# Altium PCB CL-HC-M-V2.1gerber.PcbDoc (part 4 of 16)
Units mil, origin at the board's own origin, x right, y up, seen from the top; angles counter-clockwise.
Board outline 27559.06 x 27559.06 mil, 2 copper layers (TopLayer, BottomLayer); 575 components, 528 nets, 1941 pads, 1850 vias.
Unrouted connection lines stored in the file: 70.
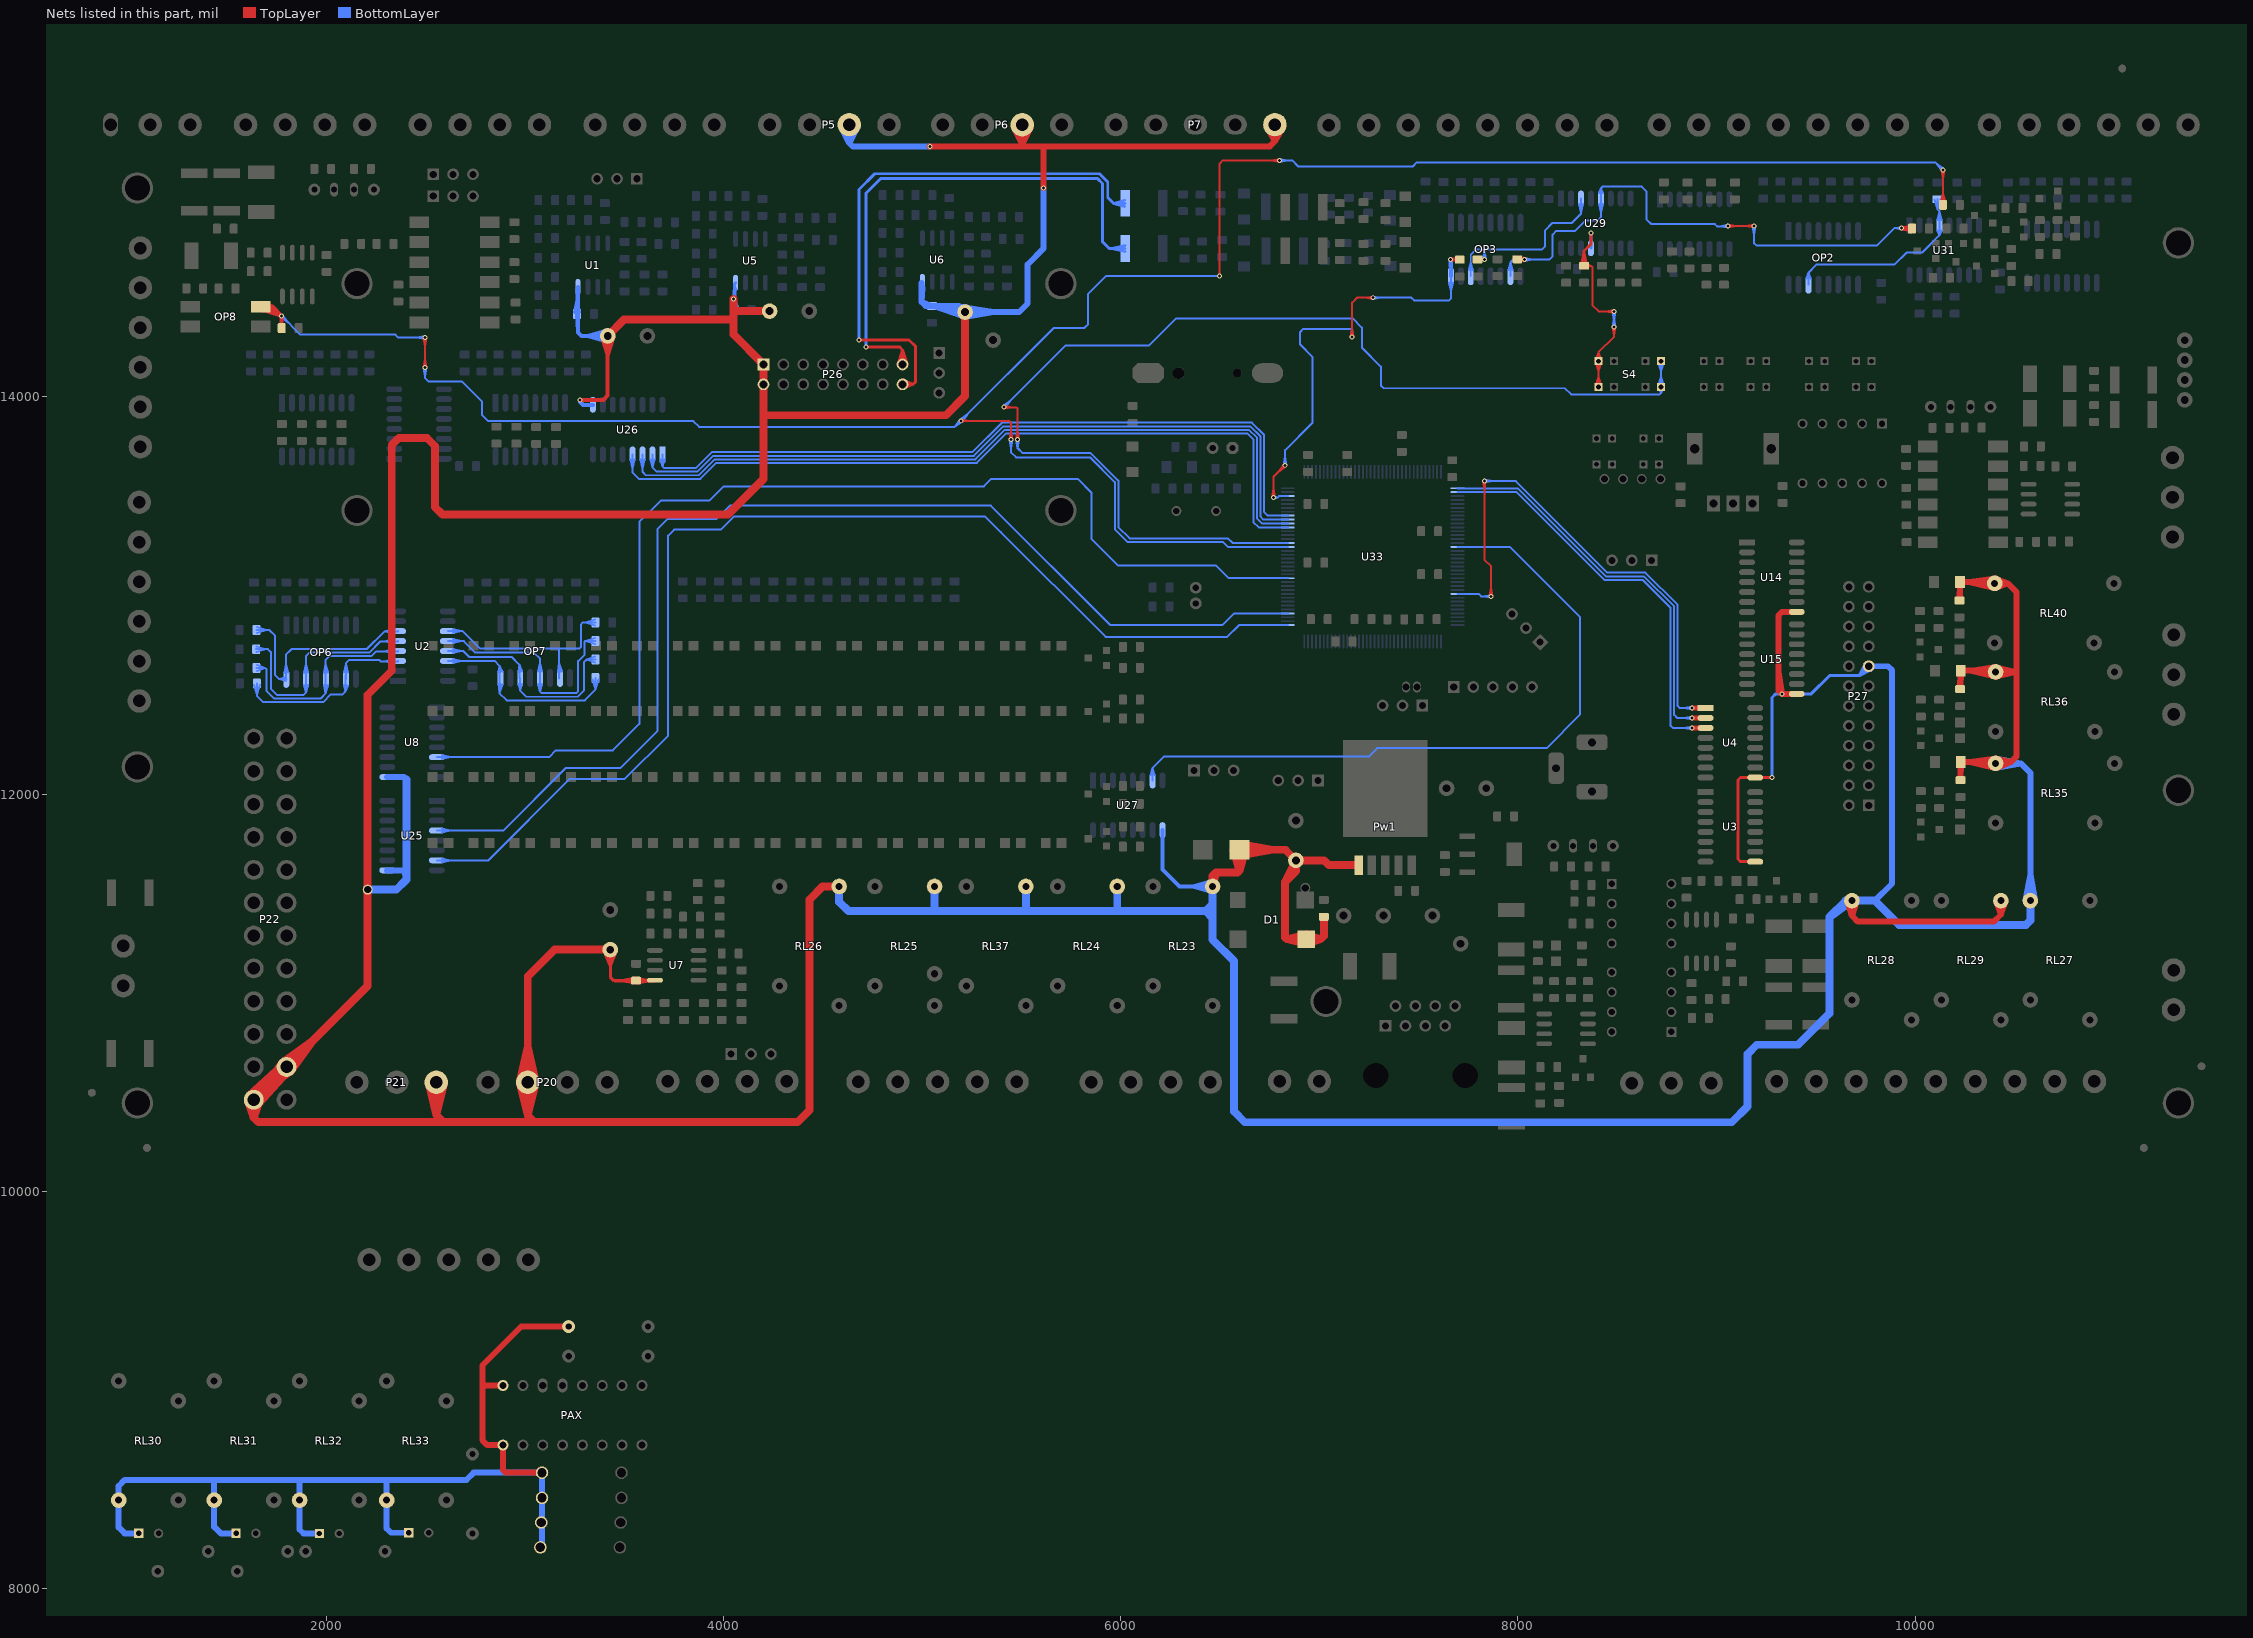
[diagram p4: the nets of this part, all layers, seen from the top]

## Via types
v1: diameter 25, hole 15, TopLayer to BottomLayer, tented both sides, 1813 vias
v2: diameter 20, hole 12, TopLayer to BottomLayer, tented both sides, 24 vias
v3: diameter 25, hole 15, TopLayer to BottomLayer, 13 vias

## Nets (pads, with @x,y where several pads share a name; then routed paths per layer and width w, separated by ;. In a path a pad name is that pad's centre, name@x,y a point inside that pad or via, vN(x,y) a via of type N, cw(c..) or ccw(c..) an arc to the next point about the centre after c; other vN are vias at no path point) (continued)
3V-远负压: OP3.16 R39.1 U33.34 | length 3286.2
  TopLayer w10: v1@6761.78,13494.81 6769.26,13536.64 v1@6776.73,13494.81 ; v1(6769.26,13494.14) 6769.26,13596.78 v1(6828.17,13655.7) ; v1@6822.47,13660.57 6794.46,13621.98 v1@6833.04,13649.99 ; v1@7157.98,14302.38 7165.45,14344.22 ; v1(7165.45,14301.72) 7165.45,14344.22 ; v1@7165.45,14306.33 7165.45,14474.98 7189.59,14499.12 v1(7270.2,14499.12) ; v1@7172.92,14302.38 7165.45,14344.22 ; v1@7269.54,14491.65 7227.7,14499.12 v1@7269.54,14506.59
  TopLayer w20: R39.1@7696.34,14691.78 v1(7659.39,14691.78) R39.1@7701.97,14690.86
  BottomLayer w10: v1(6769.26,13494.14) 6791.81,13494.14 ; v1@6770.5,13486.75 6791.81,13494.14 ; v1@6770.5,13501.54 6791.81,13494.14 ; U33.34@6811.03,13500.53 6798.2,13500.53 ; v1@6820.7,13656.36 6828.17,13698.2 v1@6835.64,13656.36 ; v1(6828.17,13655.7) 6828.17,13731.58 6965.02,13868.42 6965.02,14202 6902.8,14264.22 6902.8,14326.47 6919.07,14342.74 7158.8,14342.74 7165.45,14336.08 ; U33.34@6841.28,13500.53 6798.2,13500.53 ; v1@7158,14302.54 7165.45,14336.08 ; v1(7165.45,14301.72) 7165.45,14336.08 ; v1@7172.91,14302.54 7165.45,14336.08 ; v1(7270.2,14499.12) 7463.91,14499.12 7476.93,14486.1 7653.61,14486.1 7662.38,14494.87 OP3.16@7662.38,14607.24 ; v1@7270.86,14491.65 7312.7,14499.12 v1@7270.86,14506.59 ; OP3.16@7652.44,14576.13 7662.38,14532.24 ; OP3.16@7662.38,14577.24 7662.38,14532.24 ; OP3.16@7672.31,14576.13 7662.38,14532.24 ; 6791.81,13494.14 6798.2,13500.53
  BottomLayer w20: OP3.16@7662.38,14607.24 v1@7662.38,14688.79 ; OP3.16@7662.38,14618.94 v1(7659.39,14691.78) ; v1(7659.39,14691.78) v1@7662.38,14688.79 ; v1(7659.39,14691.78) 7662.38,14637.24 v1@7662.38,14688.79
3V-防冻: OP3.14 R52.1 U29.3 | length 1274.2
  BottomLayer w10: OP3.14@7752.44,14638.35 7762.38,14682.24 ; OP3.14@7762.38,14607.24 7762.38,14715.4 7790,14743.03 8122.19,14743.03 8135.11,14755.94 8135.11,14837.19 8173.33,14875.42 8271.8,14875.42 8317.38,14921 U29.3@8317.38,14998.36 ; OP3.14@7762.38,14637.24 7762.38,14682.24 ; OP3.14@7772.31,14638.35 7762.38,14682.24 ; v1@7824.06,14693.28 7831.54,14735.11 v1@7839.01,14693.28 ; v1(7831.54,14692.61) 7831.54,14738.56 ; U29.3@8307.44,14972.25 8317.38,14928.36 ; U29.3@8317.38,14973.36 8317.38,14928.36 ; U29.3@8327.31,14972.25 8317.38,14928.36
3V-防冻停机报警: U25.7 U33.1 | length 6036.9
  BottomLayer w10: U25.7@2557.38,11666.61 2817.36,11666.61 3227.34,12076.58 3503.24,12076.58 3721.28,12294.62 3721.28,13301.05 3751.66,13331.43 3986.84,13331.43 4054.33,13398.92 5316.75,13398.92 5396.58,13319.08 5924.13,12791.54 6536.33,12791.54 6595.72,12850.93 U33.1@6841.28,12850.93 ; U25.7@2582.38,11666.61 2627.38,11666.61 ; U25.7@2583.49,11656.67 2627.38,11666.61 ; U25.7@2583.49,11676.54 2627.38,11666.61 ; 6776.28,12850.93 U33.1@6811.03,12850.93
3V-防冻报警灯: U25.4 U33.4 | length 6000.7
  BottomLayer w10: U25.4@2557.38,11816.61 2890.99,11816.61 3204.97,12130.58 3480.87,12130.58 3667.28,12316.99 3667.28,13332.99 3719.72,13385.43 3964.47,13385.43 4031.96,13452.92 5346.27,13452.92 5948.59,12850.59 6511.87,12850.59 6571.26,12909.98 U33.4@6841.28,12909.98 ; U25.4@2582.38,11816.61 2627.38,11816.61 ; U25.4@2583.49,11806.67 2627.38,11816.61 ; U25.4@2583.49,11826.54 2627.38,11816.61 ; 6776.28,12909.98 U33.4@6811.03,12909.98
3V-面板-值机: U26.3 U33.27 | length 4040.9
  BottomLayer w10: U26.3@3582.8,13683.93 3592.74,13640.04 ; U26.3@3592.74,13685.04 3592.74,13640.04 ; U26.3@3592.74,13710.04 3592.74,13621.85 3609.17,13605.43 3876.66,13605.43 3956.49,13685.25 5268.56,13685.25 5417.35,13834.04 6645.55,13834.04 6686.43,13793.16 6686.43,13387.34 6711.03,13362.74 U33.27@6841.28,13362.74 ; U26.3@3602.68,13683.93 3592.74,13640.04 ; 6776.28,13362.74 U33.27@6811.03,13362.74
3V-面板-故障: U26.1 U33.29 | length 3866.9
  BottomLayer w10: U26.1@3682.85,13683.6 3692.74,13650.27 ; U26.1@3692.74,13685.04 3692.74,13650.27 ; U26.1@3692.74,13710.04 3692.74,13650.27 ; U26.1@3702.64,13683.6 3692.74,13650.27 ; 6776.28,13402.11 U33.29@6811.03,13402.11 ; U33.29@6841.28,13402.11 6740.24,13402.11 6722.43,13419.92 6722.43,13808.07 6660.46,13870.04 5402.44,13870.04 5253.65,13721.25 3941.57,13721.25 3861.75,13641.43 3701.58,13641.43 3692.74,13650.27
3V-面板-滤网: U26.2 U33.28 | length 3951.5
  BottomLayer w10: U26.2@3632.82,13683.77 3642.74,13645.5 ; U26.2@3642.74,13685.04 3642.74,13645.5 ; U26.2@3642.74,13710.04 3642.74,13645.5 ; U26.2@3652.66,13683.77 3642.74,13645.5 ; 6776.28,13382.42 U33.28@6811.03,13382.42 ; U33.28@6841.28,13382.42 6718.49,13382.42 6704.43,13396.48 6704.43,13800.61 6653,13852.04 5409.9,13852.04 5261.11,13703.25 3949.03,13703.25 3869.21,13623.43 3664.81,13623.43 3642.74,13645.5
3V-面板-运行: U26.4 U33.26 | length 4106.8
  BottomLayer w10: U26.4@3532.8,13683.93 3542.74,13640.04 ; U26.4@3542.74,13685.04 3542.74,13640.04 ; U26.4@3542.74,13710.04 3542.74,13618.9 3574.22,13587.43 3884.12,13587.43 3963.94,13667.25 5276.02,13667.25 5424.81,13816.04 6638.09,13816.04 6668.43,13785.7 6668.43,13369.67 6695.05,13343.05 U33.26@6841.28,13343.05 ; U26.4@3552.68,13683.93 3542.74,13640.04 ; 6776.28,13343.05 U33.26@6811.03,13343.05
3V-预热1: U4.1 U33.100 | length 3830.2
  TopLayer w10: v1@7822.99,13574.91 7830.46,13533.08 ; v1@7837.93,13574.91 7830.46,13533.08 ; v1@7857.85,12996.77 7865.32,13038.61 v1@7872.79,12996.77 ; v1(7865.32,12996.11) 7865.32,13146.26 7830.46,13181.12 v1(7830.46,13575.58) 7830.46,13533.08 ; v1@8876.08,12426.02 U4.1@8918.09,12423.5 ; v1@8876.08,12440.85 U4.1@8918.09,12443.35 ; v1@8877.85,12440.91 U4.1@8919.69,12433.43 ; v1@8877.86,12440.91 U4.1@8919.27,12433.43 ; v1@8879.6,12426.33 U4.1@8918.09,12443.35 ; v1@8879.6,12440.54 U4.1@8918.09,12423.5 ; U4.1@8944.27,12433.43 v1@8877.18,12433.43 ; v1@8877.18,12433.43 U4.1@8918.09,12423.5 ; v1@8877.18,12433.43 U4.1@8918.09,12443.35 ; v1@8877.18,12433.43 U4.1@8919.27,12433.43 ; v1(8877.19,12433.44) U4.1@8919.69,12433.43 ; v1(8877.19,12433.44) U4.1@8918.09,12423.5 ; v1(8877.19,12433.44) U4.1@8918.09,12443.35 ; v1(8877.19,12433.44) U4.1@8919.27,12433.43 ; U4.1@8919.27,12433.43 8877.86,12425.97 U4.1@8919.69,12433.43
  BottomLayer w10: U33.100@7695.61,13008.41 7802.81,13008.41 7815.11,12996.11 v1(7865.32,12996.11) 7822.82,12996.11 ; U33.100@7725.86,13008.41 7760.61,13008.41 ; v1(7830.46,13575.58) 7989.48,13575.58 7994.98,13570.08 8450.37,13114.69 8641.89,13114.69 8804.07,12952.51 8804.07,12444.95 8815.58,12433.44 v1(8877.19,12433.44) ; v1@7831.12,13568.1 7872.96,13575.58 v1@7831.12,13583.05 ; v1@7864.66,12988.64 7822.82,12996.11 ; v1@7864.66,13003.58 7822.82,12996.11 ; v1@8876.53,12425.96 8834.69,12433.44 v1@8876.53,12440.91
3V-预热2: U4.2 U33.73 | length 2631
  TopLayer w10: v1@8876.07,12376.01 U4.2@8918.09,12373.5 ; v1@8876.07,12390.84 U4.2@8918.09,12393.35 ; v1@8879.59,12376.32 U4.2@8918.09,12393.35 ; v1@8879.59,12390.53 U4.2@8918.09,12373.5 ; U4.2@8944.27,12383.43 v1(8877.18,12383.43) ; v1(8877.18,12383.43) U4.2@8918.09,12373.5 ; v1(8877.18,12383.43) U4.2@8918.09,12393.35 ; v1(8877.18,12383.43) U4.2@8919.27,12383.43 ; U4.2@8919.27,12383.43 8877.85,12390.9 8919.68,12383.43 8877.84,12375.95 U4.2@8919.27,12383.43
  BottomLayer w10: U33.73@7695.61,13539.9 7999.7,13539.9 8442.92,13096.69 8634.44,13096.69 8786.07,12945.05 8786.07,12399.2 8801.85,12383.43 v1(8877.18,12383.43) ; U33.73@7725.86,13539.9 7760.61,13539.9 ; v1@8876.52,12375.95 8834.68,12383.43 v1@8876.52,12390.9
3V-预热3: U4.3 U33.74 | length 2671
  TopLayer w10: v1@8876.07,12326.01 U4.3@8918.09,12323.5 ; v1@8876.07,12340.84 U4.3@8918.09,12343.35 ; v1@8879.59,12326.32 U4.3@8918.09,12343.35 ; v1@8879.59,12340.53 U4.3@8918.09,12323.5 ; U4.3@8944.27,12333.43 v1(8877.18,12333.43) ; v1(8877.18,12333.43) U4.3@8918.09,12323.5 ; v1(8877.18,12333.43) U4.3@8918.09,12343.35 ; v1(8877.18,12333.43) U4.3@8919.27,12333.43 ; U4.3@8919.27,12333.43 8877.85,12340.9 8919.68,12333.43 8877.84,12325.95 U4.3@8919.27,12333.43
  BottomLayer w10: U33.74@7695.61,13520.22 7993.93,13520.22 8435.46,13078.69 8626.98,13078.69 8768.07,12937.59 8768.07,12344.88 8779.53,12333.43 v1(8877.18,12333.43) ; U33.74@7725.86,13520.22 7760.61,13520.22 ; v1@8876.52,12325.95 8834.68,12333.43 v1@8876.52,12340.9
3V-预高温: OP3.10 R50.1 R269.2 U29.5 | length 4978.3
  TopLayer w10: v1@8029.94,14685.91 R50.1@8005.04,14707.2 ; v1@8030.1,14698.45 R50.1@8005.04,14678.03 ; v1@8033.15,14684.69 R50.1@8001.54,14692.61 ; v1@8033.28,14684.68 R50.1@7996.54,14692.61 ; v1@8033.38,14699.59 R50.1@8001.54,14692.61 ; v1@8033.48,14699.6 R50.1@7996.54,14692.61 ; v1@8036.59,14685.04 R50.1@8005.04,14678.03 ; v1@8036.79,14699.14 R50.1@8005.04,14707.2 ; v1(9056.81,14859.92) v1(9189.45,14859.92) 9146.95,14859.92 ; v1@9057.48,14852.45 9099.31,14859.92 v1@9057.48,14867.39 ; v1@9188.79,14852.45 9146.95,14859.92 ; v1@9188.79,14867.39 9146.95,14859.92 ; v1@9928.93,14841.73 R269.2@9971.73,14835.9 ; v1@9929.41,14856.46 R269.2@9972.24,14859.41 ; v1@9931,14841.56 R269.2@9973.07,14847.67 ; v1@9931.25,14841.58 9973.08,14849.05 v1@9931.25,14856.52 ; v1@9931.49,14856.49 R269.2@9973.07,14847.67 ; v1@9933.02,14841.96 R269.2@9972.24,14859.41 ; v1@9933.48,14855.97 R269.2@9971.73,14835.9 ; R269.2@9981.37,14832.54 v1@9934.1,14849.05 ; R269.2@9982.42,14862.18 v1@9934.1,14849.05 ; R50.1@7996.54,14692.61 v1@8033.64,14692.61 ; R50.1@7996.54,14692.61 v1(8034.13,14692.13) ; R50.1@8001.54,14692.61 v1@8033.64,14692.61 ; R50.1@8001.54,14692.61 v1(8034.13,14692.13) ; R50.1@8005.04,14678.03 v1@8033.64,14692.61 ; R50.1@8005.04,14678.03 v1(8034.13,14692.13) ; R50.1@8005.04,14707.2 v1@8033.64,14692.61 ; R50.1@8005.04,14707.2 v1(8034.13,14692.13) ; v1(9930.58,14849.05) 9982.37,14849.05 R269.2@9984.14,14847.28 v1@9934.1,14849.05 ; v1(9930.58,14849.05) R269.2@9971.73,14835.9 ; v1(9930.58,14849.05) R269.2@9973.07,14847.67 ; v1(9930.58,14849.05) R269.2@9972.24,14859.41
  BottomLayer w10: OP3.10@7952.45,14638.48 7962.38,14677.65 ; OP3.10@7962.38,14607.24 7962.38,14677.65 ; OP3.10@7962.38,14637.24 7962.38,14677.65 ; OP3.10@7972.3,14638.48 7962.38,14677.65 ; v1@8033.47,14684.66 7991.63,14692.13 ; v1@8033.47,14699.6 7991.63,14692.13 ; v1@8033.64,14692.61 v1(8034.13,14692.13) ; v1@8034.79,14684.66 8076.63,14692.13 v1@8034.79,14699.6 ; U29.5@8407.44,14972.25 8417.38,14928.36 ; U29.5@8407.55,15025.2 8417.38,15050.44 ; U29.5@8417.38,14973.36 8417.38,14928.36 ; U29.5@8417.38,15023.36 8417.38,15050.44 ; U29.5@8427.2,15025.2 8417.38,15050.44 ; U29.5@8427.31,14972.25 8417.38,14928.36 ; v1@9055.88,14867.36 9014.25,14858.35 ; v1@9056.43,14852.43 9014.25,14858.35 ; v1@9181.98,14859.25 9189.45,14817.42 ; v1@9196.92,14859.25 9189.45,14817.42 ; v1@9929.78,14841.59 9895.36,14849.05 ; v1@9929.78,14856.5 9895.36,14849.05 ; 7962.38,14677.65 7976.86,14692.13 v1(8034.13,14692.13) ; 7991.63,14692.13 v1(8034.13,14692.13) ; v1(8034.13,14692.13) 8159.37,14692.13 8175.11,14707.87 8175.11,14816.74 8193.79,14835.42 8288.36,14835.42 8341.75,14888.81 8400.88,14888.81 8417.38,14905.31 U29.5@8417.38,14998.36 8417.38,15050.44 ; 8417.38,15050.44 8425.7,15058.76 8623.36,15058.76 8646.95,15035.17 8646.95,14895.08 8672.34,14869.68 8991.06,14869.68 9002.4,14858.35 9055.25,14858.35 v1(9056.81,14859.92) 9014.25,14858.35 ; 9189.45,14817.42 v1(9189.45,14859.92) 9189.45,14772.86 9201.45,14760.87 9807.18,14760.87 9895.36,14849.05 ; 9895.36,14849.05 v1(9930.58,14849.05) 9895.36,14849.05
3V-高效: OP2.14 R48.1 U31.4 | length 1387.4
  BottomLayer w10: OP2.14@9452.89,14596.67 9462.76,14625.65 ; OP2.14@9462.76,14565.04 9462.76,14625.65 ; OP2.14@9462.76,14595.04 9462.76,14625.65 ; OP2.14@9472.62,14596.67 9462.76,14625.65 ; R48.1@10096.77,14992.79 10111.61,14945.04 R48.1@10126.44,14992.79 ; R48.1@10111.61,14995.04 10111.61,14944.73 10121.61,14934.72 U31.4@10121.61,14863.63 10121.61,14812.91 ; U31.4@10111.68,14889.74 10121.61,14933.63 ; U31.4@10111.8,14836.68 10121.61,14812.91 ; U31.4@10121.61,14838.63 10121.61,14812.91 ; U31.4@10121.61,14888.63 10121.61,14933.63 ; U31.4@10131.42,14836.68 10121.61,14812.91 ; U31.4@10131.55,14889.74 10121.61,14933.63 ; 9462.76,14625.65 9502.85,14665.74 9502.92,14665.81 9881.42,14665.81 9881.56,14665.67 9895.16,14665.67 9895.23,14665.74 9956.3,14726.81 10035.51,14726.81 10121.61,14812.91
3V-高效报警灯: U8.6 U33.13 | length 6014.6
  BottomLayer w10: U8.6@2557.38,12186.08 3122.27,12186.08 3156.77,12220.58 3443.59,12220.58 3577.28,12354.27 3577.28,13370.27 3684.61,13477.6 3929.36,13477.6 4001.08,13549.31 5310.82,13549.31 5348.82,13587.32 5783.91,13587.32 5852.69,13518.54 5852.69,13284.7 5986.62,13150.77 6220.92,13150.77 ; U8.6@2582.38,12186.08 2627.38,12186.08 ; U8.6@2583.49,12176.15 2627.38,12186.08 ; U8.6@2583.49,12196.02 2627.38,12186.08 ; 6179.66,13150.77 6480.58,13150.77 6544.2,13087.15 U33.13@6841.28,13087.15 ; 6776.28,13087.15 U33.13@6811.03,13087.15
3V-高温联动输出: U27.7 U33.88 | length 3732.7
  BottomLayer w10: U27.7@6151.03,12095.11 6160.95,12132.84 ; U27.7@6160.95,12068.83 6160.95,12132.84 ; U27.7@6160.95,12093.83 6160.95,12132.84 ; U27.7@6170.87,12095.11 6160.95,12132.84 ; U33.88@7695.61,13244.63 7959.79,13244.63 8312.18,12892.24 8312.18,12399.66 8144.41,12231.88 7291.06,12231.88 7248.14,12188.97 6217.07,12188.97 6160.95,12132.84 ; U33.88@7725.86,13244.63 7760.61,13244.63
3V<-变频故障: OP7.12 R76.1 U2.12 | length 1720.4
  BottomLayer w10: U2.12@2612.38,12770.5 2693.55,12770.5 2751.46,12712.59 3045.34,12712.59 3077.06,12680.87 OP7.12@3077.06,12585.09 3077.06,12516.35 ; U2.12@2637.38,12770.5 2682.38,12770.5 ; U2.12@2638.49,12760.56 2682.38,12770.5 ; U2.12@2638.49,12780.44 2682.38,12770.5 ; OP7.12@3067.14,12553.8 3077.06,12516.35 ; OP7.12@3067.12,12616.2 3077.06,12660.09 ; OP7.12@3077.06,12555.09 3077.06,12516.35 ; OP7.12@3077.06,12615.09 3077.06,12660.09 ; OP7.12@3086.98,12553.8 3077.06,12516.35 ; OP7.12@3087,12616.2 3077.06,12660.09 ; R76.1@3353.18,12756.24 3305.43,12771.07 ; R76.1@3353.18,12785.9 3305.43,12771.07 ; 3077.06,12516.35 3085.1,12508.31 3258.56,12508.31 3268.39,12518.14 3268.39,12670 3300.85,12702.45 3300.85,12767.95 3303.97,12771.07 R76.1@3355.43,12771.07 3305.43,12771.07
3V<-变频运行: OP7.10 R75.1 U2.11 | length 1471
  BottomLayer w10: U2.11@2612.38,12820.5 2687.61,12820.5 2775.52,12732.59 3273.62,12732.59 3281.76,12740.73 3281.76,12853.5 3292.68,12864.42 R75.1@3355.43,12864.42 3305.43,12864.42 ; U2.11@2637.38,12820.5 2682.38,12820.5 ; U2.11@2638.49,12810.56 2682.38,12820.5 ; U2.11@2638.49,12830.44 2682.38,12820.5 ; OP7.10@3167.06,12615.17 3172.45,12660.2 ; OP7.10@3172.45,12582.18 3172.45,12732.04 ; OP7.10@3177.06,12615.09 3172.45,12660.2 ; OP7.10@3186.84,12617.2 3172.45,12660.2 ; R75.1@3353.18,12849.59 3305.43,12864.42 ; R75.1@3353.18,12879.25 3305.43,12864.42
3V<-工频故障: OP7.14 R77.1 U2.13 | length 1557
  BottomLayer w10: U2.13@2612.38,12720.5 2690.08,12720.5 2720.08,12690.5 2934.45,12690.5 2972.45,12652.51 ; U2.13@2637.38,12720.5 2682.38,12720.5 ; U2.13@2638.49,12710.56 2682.38,12720.5 ; U2.13@2638.49,12730.44 2682.38,12720.5 ; OP7.14@2967.06,12615.19 2972.45,12652.51 ; OP7.14@2967.17,12553.63 2977.06,12520.82 ; OP7.14@2972.45,12582.18 2972.45,12652.51 ; OP7.14@2977.06,12555.09 2977.06,12520.82 ; OP7.14@2977.06,12585.09 2977.06,12520.82 ; OP7.14@2977.06,12615.09 2972.45,12652.51 ; OP7.14@2986.74,12617.62 2972.45,12652.51 ; OP7.14@2986.95,12553.63 2977.06,12520.82 ; R77.1@3352.87,12662.95 3311.59,12677.73 ; R77.1@3352.87,12692.51 3311.59,12677.73 ; 2977.06,12520.82 3007.58,12490.31 3266.02,12490.31 3297.23,12521.52 3297.23,12663.38 3311.59,12677.73 ; 3311.59,12677.73 R77.1@3355.43,12677.73 3311.59,12677.73
3V<-工频运行: OP7.16 R78.1 U2.14 | length 1502.2
  BottomLayer w10: U2.14@2612.38,12670.5 2848.22,12670.5 2872.45,12646.27 ; U2.14@2637.38,12670.5 2682.38,12670.5 ; U2.14@2638.49,12660.56 2682.38,12670.5 ; U2.14@2638.49,12680.44 2682.38,12670.5 ; OP7.16@2867.06,12555 2872.45,12510.05 ; OP7.16@2867.06,12615.21 2872.45,12646.27 ; OP7.16@2877.06,12555.09 2872.45,12510.05 ; OP7.16@2877.06,12615.09 2872.45,12646.27 ; OP7.16@2886.6,12618.1 2872.45,12646.27 ; OP7.16@2886.84,12552.98 2872.45,12510.05 ; R78.1@3340.6,12577.14 3355.43,12529.39 ; R78.1@3355.43,12579.39 3355.43,12529.39 ; R78.1@3355.43,12584.39 3355.43,12525.67 3302.05,12472.28 2908.42,12472.28 2872.45,12508.25 2872.45,12646.27 ; R78.1@3370.26,12577.14 3355.43,12529.39
3V<-急停按钮: OP8.4 R148.1 R261.2 U33.21 | length 14787.8
  TopLayer w10: v1@2489.07,14148 2496.54,14189.83 v1@2504.01,14148 ; v1@2489.07,14297.51 2496.54,14255.67 v1@2504.01,14297.51 ; v1(2496.54,14147.33) v1(2496.54,14298.17) ; v1(5195.08,13879.73) 5437.86,13879.73 5447.48,13870.12 v1(5447.48,13785.38) ; v1@5195.74,13872.26 5237.58,13879.73 v1@5195.74,13887.2 ; v1@5440.01,13786.04 5447.48,13827.88 v1@5454.95,13786.04 ; v1(6498.56,14609.3) 6498.56,15174.32 6514.79,15190.55 v1(6800.69,15190.55) ; v1@6800.03,15183.08 6758.19,15190.55 v1@6800.03,15198.02 ; R261.2@10124.74,14974.24 10139.57,15021.99 ; v1@10132.1,15141.84 10139.57,15100.01 v1@10147.04,15141.84 ; R261.2@10139.57,14966.99 v1(10139.57,15142.51) ; R261.2@10139.57,14971.99 10139.57,15021.99 ; R261.2@10154.4,14974.24 10139.57,15021.99
  TopLayer w20: OP8.4@1670.73,14453.86 1729.57,14453.86 ; OP8.4@1682.85,14435.86 v1(1776.13,14407.3) ; OP8.4@1701.4,14470 v1(1776.13,14407.3) ; OP8.4@1706.26,14428.69 v1(1776.13,14407.3) ; OP8.4@1710.91,14442.73 v1(1776.13,14407.3) ; OP8.4@1717.67,14456.35 v1(1776.13,14407.3) ; OP8.4@1690.41,14453.86 v1(1776.13,14407.3) ; OP8.4@1690.41,14453.86 1729.57,14453.86 ; OP8.4@1690.41,14453.86 1729.57,14453.86 ; 1729.57,14453.86 v1(1776.13,14407.3) ; 1729.57,14453.86 1695.28,14472.77 1729.57,14453.86 ; 1729.57,14453.86 1695.28,14434.95 1729.57,14453.86 ; 1729.57,14453.86 v1(1776.13,14407.3) ; v1(1776.13,14407.3) R148.1@1776.13,14346.15 v1(1776.13,14407.3) ; v1(1776.13,14407.3) 1776.13,14351.15 v1(1776.13,14407.3)
  BottomLayer w10: v1@1771.26,14401.59 1809.85,14373.58 v1@1781.84,14412.17 ; v1(1776.13,14407.3) 1869.85,14313.58 2348.23,14313.58 2363.64,14298.17 v1(2496.54,14298.17) 2454.04,14298.17 ; v1@2489.07,14146.67 2496.54,14104.83 v1@2504.01,14146.67 ; v1@2495.88,14290.7 2454.04,14298.17 ; v1@2495.88,14305.64 2454.04,14298.17 ; v1(2496.54,14147.33) 2496.54,14096.66 2516.53,14076.68 2684.87,14076.68 2784.11,13977.44 2784.11,13910.83 2816.9,13878.04 3848.42,13878.04 3877.28,13849.18 5164.53,13849.18 ; v1@5189.33,13884.55 5164.53,13849.18 ; v1@5190.21,13885.44 5228.79,13913.44 v1@5200.78,13874.86 ; v1@5199.9,13873.99 5164.53,13849.18 ; v1@5440.01,13784.72 5447.48,13742.88 ; v1@5454.95,13784.72 5447.48,13742.88 ; v1(6498.56,14609.3) 5927.17,14609.3 5836.52,14518.65 5836.52,14365.6 5817.57,14346.65 5661.99,14346.65 v1(5195.08,13879.73) ; 6776.28,13244.63 U33.21@6811.03,13244.63 ; v1(6800.69,15190.55) 6864.32,15190.55 6895.3,15159.58 7468.99,15159.58 7489.94,15180.53 10101.55,15180.53 v1(10139.57,15142.51) ; v1@6801.35,15183.08 6843.19,15190.55 v1@6801.35,15198.02 ; U33.21@6841.28,13244.63 6539.45,13244.63 6515.71,13268.37 6035.34,13268.37 5970.29,13333.41 5970.29,13570.43 5845.4,13695.32 5473.45,13695.32 5447.48,13721.3 v1(5447.48,13785.38) 5447.48,13742.88 ; v1@10133.87,15137.64 10105.86,15176.22 v1@10144.44,15148.21 ; 5164.53,13849.18 v1(5195.08,13879.73) ; 5164.53,13849.18 v1(5195.08,13879.73)
3V<-手动冬季: S4.3 U33.22 | length 6656.4
  TopLayer w10: v3@5413.47,13942.05 5455.79,13947.51 ; v3@5414.18,13956.97 5455.79,13947.51 ; v1@5473.13,13786.04 5480.6,13827.88 v1@5488.07,13786.04 ; v1(5480.6,13785.38) 5480.6,13942.05 5475.15,13947.51 5415.2,13947.51 v3(5413.17,13949.54) 5455.79,13947.51
  BottomLayer w10: v3@5408.3,13955.24 5446.88,13983.25 v3@5418.87,13944.67 ; v3(5413.17,13949.54) 5723.04,14259.42 6143.65,14259.42 6279.69,14395.45 7167.69,14395.45 7214.01,14349.13 7214.01,14248.54 7310.39,14152.15 7310.39,14057.21 7324.17,14043.44 8236.58,14043.44 8267.69,14012.32 8713.38,14012.32 8720.24,14019.18 ; v1@5473.13,13784.72 5480.6,13742.88 ; v1@5488.07,13784.72 5480.6,13742.88 ; 6776.28,13264.31 U33.22@6811.03,13264.31 ; U33.22@6841.28,13264.31 6563.07,13264.31 6539.65,13287.73 6044.62,13287.73 5988.29,13344.06 5988.29,13577.89 5847.63,13718.55 5504.7,13718.55 5480.6,13742.65 v1(5480.6,13785.38) 5480.6,13742.88 ; S4.3@8705.72,14052.25 8720.24,14099.76 S4.3@8734.76,14052.25 ; S4.3@8705.72,14177.83 8720.24,14130.31 S4.3@8734.76,14177.83 ; S4.3@8705.97,14046.59 8720.24,14019.18 ; S4.3@8720.24,14180 S4.3@8720.24,14050.08 ; S4.3@8734.5,14046.59 8720.24,14019.18 ; 8720.24,14019.18 S4.3@8720.24,14050.08 ; 8720.24,14019.18 S4.3@8720.24,14050.08
3V<-手动夏季: R82.1 S4.1 U29.13 | length 2115.6
  TopLayer w10: R82.1@8332.76,14660.04 8367.7,14660.04 ; R82.1@8337.76,14660.04 8367.7,14660.04 ; R82.1@8341.52,14645.52 8367.7,14660.04 ; R82.1@8341.52,14674.56 8367.7,14660.04 ; S4.1@8390.76,14052.25 8405.28,14099.76 S4.1@8419.8,14052.25 ; S4.1@8390.76,14177.83 8405.28,14130.31 S4.1@8419.8,14177.83 ; S4.1@8390.79,14182.42 8405.28,14224.56 ; S4.1@8405.28,14050.08 S4.1@8405.28,14180 8405.28,14224.56 ; S4.1@8419.76,14182.42 8405.28,14224.56 ; v1@8476.24,14352.26 8483.71,14310.43 ; v1@8483.05,14422.49 8441.21,14429.96 ; v1@8483.05,14437.43 8441.21,14429.96 ; v1@8491.18,14352.26 8483.71,14310.43 ; 8367.7,14660.04 8374.2,14653.53 8374.2,14461.93 8406.17,14429.96 v1(8483.71,14429.96) 8441.21,14429.96 ; 8405.28,14224.56 8483.71,14302.99 v1(8483.71,14352.93) 8483.71,14310.43
  TopLayer w15: R82.1@8320.32,14661.24 8332.76,14725.04 R82.1@8345.2,14661.24 ; R82.1@8332.76,14660.04 8332.76,14733.95 8367.09,14768.27 v1(8367.09,14823.9)
  BottomLayer w10: v1@8476.24,14353.59 8483.71,14395.43 v1@8491.18,14353.59 ; v1@8476.24,14429.3 8483.71,14387.46 v1@8491.18,14429.3 ; v1(8483.71,14352.93) v1(8483.71,14429.96)
  BottomLayer w15: U29.13@8367.38,14748.36 v1@8367.38,14823.61 ; U29.13@8367.38,14766.4 v1(8367.09,14823.9) ; v1(8367.09,14823.9) v1@8367.38,14823.61 ; v1(8367.09,14823.9) 8367.38,14773.36 v1@8367.38,14823.61
3V<-本地值机: OP6.14 R150.1 U2.5 | length 1626
  BottomLayer w10: R150.1@1647.87,12729.49 1706.2,12729.49 1722.72,12712.97 1722.72,12528.11 1751.57,12499.27 1886.17,12499.27 1899.37,12512.46 ; R150.1@1650.12,12714.66 1697.87,12729.49 R150.1@1650.12,12744.32 ; OP6.14@1889.39,12610.84 1897.45,12655.17 ; OP6.14@1889.46,12548.83 1899.37,12512.46 ; OP6.14@1899.37,12550.16 1899.37,12512.46 ; OP6.14@1899.37,12610.16 1897.45,12655.17 ; OP6.14@1909.25,12611.69 1897.45,12655.17 ; OP6.14@1909.28,12548.83 1899.37,12512.46 ; U2.5@2335.8,12780.37 2292.36,12768.36 ; U2.5@2336.74,12760.52 2292.36,12768.36 ; U2.5@2337.38,12770.5 2292.36,12768.36 ; U2.5@2362.38,12770.5 2362.38,12768.36 2272.34,12768.36 2216.62,12712.64 1915.28,12712.64 1897.45,12694.8 1897.45,12580.04 OP6.14@1899.37,12580.16 1899.37,12512.46
3V<-本地运行: OP6.16 R149.1 U2.6 | length 1584.8
  BottomLayer w10: R149.1@1648.79,12826.25 1713.71,12826.25 1743.15,12796.8 1743.15,12599.39 1762.38,12580.16 ; R149.1@1651.04,12811.42 1698.79,12826.25 R149.1@1651.04,12841.08 ; OP6.16@1789.39,12610.84 1797.45,12655.17 ; OP6.16@1798.02,12570.25 1762.38,12580.16 ; OP6.16@1798.02,12590.06 1762.38,12580.16 ; OP6.16@1799.37,12610.16 1797.45,12655.17 ; OP6.16@1809.25,12611.69 1797.45,12655.17 ; U2.6@2335.78,12830.37 2292.87,12818.36 ; U2.6@2336.73,12810.52 2292.87,12818.36 ; U2.6@2337.38,12820.5 2292.87,12818.36 ; U2.6@2362.38,12820.5 2362.38,12818.36 2292.87,12818.36 ; 1762.38,12580.16 OP6.16@1797.45,12580.16 ; 1762.38,12580.16 OP6.16@1799.37,12580.16 OP6.16@1797.45,12580.16 ; OP6.16@1797.45,12580.16 1797.45,12701.45 1826.63,12730.64 2205.14,12730.64 2292.87,12818.36
3V<-远值使能: OP6.10 R152.1 U2.3 | length 1500
  BottomLayer w10: R152.1@1636.05,12550.1 1650.89,12502.35 ; R152.1@1650.89,12552.35 1650.89,12502.35 ; R152.1@1650.89,12557.35 1650.89,12495.44 1683.06,12463.27 1984.24,12463.27 2023.79,12502.81 2083.1,12502.81 2097.06,12516.78 ; R152.1@1665.72,12550.1 1650.89,12502.35 ; OP6.10@2089.4,12549.35 2097.06,12516.78 ; OP6.10@2089.43,12611.27 2099.37,12655.16 ; OP6.10@2097.06,12598.36 2097.06,12516.78 ; OP6.10@2099.37,12550.16 2097.06,12516.78 ; OP6.10@2099.37,12580.16 2099.37,12659.03 2116.35,12676.01 2266.15,12676.01 2273.79,12668.36 2362.38,12668.36 U2.3@2362.38,12670.5 ; OP6.10@2099.37,12610.16 2099.37,12655.16 ; OP6.10@2109.13,12547.98 2097.06,12516.78 ; OP6.10@2109.31,12611.27 2099.37,12655.16 ; U2.3@2335.79,12680.37 2292.36,12668.36 ; U2.3@2336.74,12660.52 2292.36,12668.36 ; U2.3@2337.38,12670.5 2292.36,12668.36
3V<-远起使能: OP6.12 R151.1 U2.4 | length 1643.6
  BottomLayer w10: R151.1@1648.79,12634.75 1693.07,12634.75 ; R151.1@1651.33,12619.96 1693.07,12634.75 ; R151.1@1651.33,12649.53 1693.07,12634.75 ; OP6.12@1989.39,12549.44 1997.45,12507.19 ; OP6.12@1989.39,12610.84 1997.45,12655.17 ; OP6.12@1989.5,12548.53 1997.06,12533.36 ; OP6.12@1997.06,12598.36 1997.06,12533.36 ; OP6.12@1999.37,12610.16 1997.45,12655.17 ; OP6.12@2008.43,12545.93 1997.06,12533.36 ; OP6.12@2009.24,12548.55 1997.45,12507.19 ; OP6.12@2009.25,12611.69 1997.45,12655.17 ; U2.4@2335.8,12730.37 2292.35,12718.36 ; U2.4@2336.74,12710.52 2292.35,12718.36 ; U2.4@2337.38,12720.5 2292.35,12718.36 ; U2.4@2362.38,12720.5 2362.38,12718.36 2251.26,12718.36 2227.53,12694.64 2016.59,12694.64 1997.45,12675.49 1997.45,12507.19 ; 1693.07,12634.75 1698.67,12629.14 1698.67,12520.36 1737.76,12481.27 1971.52,12481.27 1997.45,12507.19 ; 1997.06,12533.36 1999.37,12550.16 1997.45,12507.19
10V-面板-温度输入: F6.1 P26.16 | length 3005.1
  TopLayer w15: v1(4682.86,14286.91) 4934.06,14286.91 4967.71,14253.26 4967.71,14076.58 4954.24,14063.1 ; P26.16@4901.86,14063.1 4954.24,14063.1 ; P26.16@4906.5,14041.56 4954.24,14063.1 ; P26.16@4906.5,14084.63 4954.24,14063.1
  BottomLayer w15: v1(4682.86,14286.91) 4682.86,15044.12 4762.09,15123.35 5893.76,15123.35 5934.86,15082.26 5934.86,15003.83 5964.73,14973.96 ; F6.1@6020.38,14957.99 5964.73,14973.96 ; F6.1@6020.38,14989.92 5964.73,14973.96 ; F6.1@6022.63,14973.96 5964.73,14973.96
10V-面板-湿度输入: F2.1 P26.15 | length 2974.5
  TopLayer w15: v1(4716.65,14252.06) 4885.98,14252.06 4901.86,14236.18 ; P26.15@4880.09,14166.42 4901.86,14236.18 ; P26.15@4901.86,14163.1 4901.86,14236.18 ; P26.15@4923.64,14166.42 4901.86,14236.18
  BottomLayer w15: v1(4716.65,14252.06) 4716.65,15023.7 4791.3,15098.35 5884.34,15098.35 5908.12,15074.58 5908.12,14780.87 5942.23,14746.76 F2.1@6022.63,14746.76 ; F2.1@6020.74,14730.75 5954.01,14746.76 F2.1@6020.74,14762.77
24V: C19.2 C20.2 C37.2 C39.2 C44.1 C45.1 C85.1 C86.1 C87.1 C88.1 D1.3 D14.A D15.A D16.A D17.A D18.A D19.K D20.K D21.K D22.K D95.K D97.K D109.K P5.2 P6.2 P7.1 P20.3 P21.3 P22.22 P22.23 P26.1 P26.2 P27.15 pad.0@2209.06,11519.1 PAX.1 PAX.2 Pw1.1 R219.2 R264.1 R272.1 R285.1 RL23.1 RL24.1 RL25.1 RL26.1 RL27.2 RL28.2 RL29.1 RL30.1 RL31.1 RL32.1 RL33.1 RL35.1 RL36.1 RL37.1 RL40.1 U1.8 U3.9 U4.9 U5.8 U6.8 U7.8 U8.9 U14.9 U15.9 U25.9 U26.9 U27.9 | length 60312.6
  TopLayer w15: C88.1@3399.22,11210.96 3430.52,11132.61 ; C88.1@3413.73,11215.29 3430.52,11132.61 ; C88.1@3430.52,11216.98 3430.52,11078.68 3448.24,11060.96 C39.2@3560.43,11060.96 ; C88.1@3447.3,11215.29 3430.52,11132.61 ; 3452,11058.14 3649.97,11058.14 U7.8@3654.97,11063.14 ; C88.1@3461.81,11210.96 3430.52,11132.61 ; C39.2@3553.69,11073.34 3490.33,11058.14 ; C39.2@3554.23,11048.52 3490.43,11060.96 ; C39.2@3554.23,11073.4 3490.43,11060.96 ; C39.2@3554.77,11048.48 3490.33,11058.14 ; C39.2@3565.43,11060.96 U7.8@3630.51,11058.14 ; C39.2@3566.09,11048.48 U7.8@3630.51,11058.14 ; C39.2@3567.17,11073.34 U7.8@3630.51,11058.14 ; C39.2@3568.97,11072.91 U7.8@3626.97,11063.14 ; C39.2@3569.51,11060.78 U7.8@3626.97,11063.14 ; C39.2@3569.74,11058.14 U7.8@3626.97,11063.14 ; C39.2@3570.56,11049.15 U7.8@3626.97,11063.14 ; U3.9@9169.27,11659.99 9120.6,11659.99 ; U4.9@9169.27,12083.43 9120.84,12083.43 ; U3.9@9194.27,11659.99 9120.6,11659.99 ; U4.9@9219.27,12083.43 v1(9278.94,12083.43) ; 3490.33,11058.14 3555.43,11060.96 3490.43,11060.96 ; 9120.6,11659.99 9107.62,11672.97 9107.62,12070.2 9120.84,12083.43 ; 9120.84,12083.43 U4.9@9194.27,12083.43 v1(9278.94,12083.43) ; v1(9278.94,12083.43) 9221.44,12083.43 v1(9278.94,12083.43)
  TopLayer w20: v1(3277.81,13985.22) 3395.8,13985.22 3417.44,14006.86 C86.1@3417.44,14306.66 ; C86.1@3388.39,14302.32 3417.44,14207.29 C86.1@3446.49,14302.32
  TopLayer w30: PAX.1@2890.14,9022.79 2801.47,9022.79 2786.39,9007.71 ; D19.K@3086.84,8583.7 2904.15,8583.7 2890.14,8597.71 PAX.2@2890.14,8722.79 2811.31,8722.79 2786.39,8747.71 2786.39,9007.71 ; R219.2@3220.55,9319.63 2982.17,9319.63 2786.39,9123.85 2786.39,9007.71 ; v1@5036.55,15261.31 5494.51,15261.31 ; v1(5040.78,15259.91) 5143.33,15261.31 ; P6.2@5460.98,15359.52 5503.92,15270.72 ; P6.2@5503.92,15369.36 5503.92,15270.72 ; P6.2@5546.86,15359.52 5503.92,15270.72 ; v1(5610.86,15050.57) 5610.86,15259.44 5612.73,15261.31 ; P7.1@6733.86,15359.05 6776.36,15287.11 ; P7.1@6776.36,15370.67 6776.36,15287.11 ; P7.1@6818.86,15359.05 6776.36,15287.11 ; 9310.86,12616.5 v1(9328.96,12504.98) ; U14.9@9378.64,12917.5 9329.67,12917.5 ; U14.9@9403.64,12917.5 9329.67,12917.5 ; RL28.2@9657.48,11459.72 9681.53,11388.36 ; RL28.2@9681.53,11463.66 9681.53,11388.36 ; RL28.2@9705.58,11459.72 9681.53,11388.36 ; D95.K@10229.38,12156.36 R264.1@10228.39,12070.36 10228.39,12160.38 D95.K@10229.38,12161.36 10481.38,12161.36 ; RL40.1@10396.84,13037.33 10270.57,13067.82 ; RL36.1@10398.01,12621.37 D97.K@10229.38,12621.37 D97.K@10228.39,12620.39 ; RL40.1@10399.22,13085.8 10270.57,13067.82 ; RL35.1@10400.89,12130.88 10274.69,12161.36 ; RL36.1@10400.89,12590.89 10274.63,12621.37 ; RL35.1@10403.27,12179.34 10274.69,12161.36 ; RL36.1@10403.27,12639.36 10274.63,12621.37 ; RL40.1@10404.88,13037.52 10465.28,13061.46 ; RL40.1@10404.88,13085.39 10465.28,13061.46 ; RL35.1@10406.21,12179.3 10481.38,12161.36 ; RL36.1@10407.29,12590.82 10505.74,12615.01 ; RL36.1@10407.29,12639.2 10505.74,12615.01 ; RL29.1@10407.54,11459.38 10431.53,11394.36 ; RL35.1@10410.18,12131.33 10481.38,12161.36 ; RL29.1@10431.53,11463.66 10431.53,11394.36 ; RL29.1@10455.52,11459.38 10431.53,11394.36 ; 5494.51,15261.31 5503.92,15270.72 ; 5494.51,15261.31 5612.73,15261.31 ; 5612.73,15261.31 6750.56,15261.31 6776.36,15287.11 ; 9310.86,12522.49 9328.66,12504.68 v1@9328.81,12504.54 ; 9310.86,12522.49 9310.86,12898.69 9329.67,12917.5 ; 9310.86,12522.49 v1(9328.96,12504.98) ; 9310.86,12522.49 v1(9328.96,12504.98) ; v1@9328.81,12504.54 U15.9@9403.64,12504.54 v1(9328.96,12504.98) ; v1@9328.81,12504.54 9378.64,12504.54 v1(9328.96,12504.98) ; 9681.53,11388.36 9711.53,11358.36 10395.53,11358.36 10431.53,11394.36 ; R285.1@10222.34,12974.82 R285.1@10224.34,12976.82 ; R285.1@10222.34,12974.82 D109.K@10224.34,13066.83 ; R285.1@10222.34,12974.82 10225.32,13062.82 R285.1@10224.34,12976.82 ; R285.1@10224.34,12976.82 D109.K@10224.34,13066.83 ; D109.K@10224.34,13066.83 D109.K@10225.32,13067.82 10393.95,13067.82 RL40.1@10400.31,13061.46 ; R272.1@10226.39,12528.37 R272.1@10228.39,12530.37 ; R272.1@10226.39,12528.37 D97.K@10228.39,12620.39 ; R272.1@10226.39,12528.37 10229.38,12616.37 R272.1@10228.39,12530.37 ; R272.1@10228.39,12530.37 D97.K@10228.39,12620.39 ; 10270.57,13067.82 RL40.1@10400.31,13061.46 ; 10274.63,12621.37 RL36.1@10404.37,12615.01 10505.74,12615.01 ; 10274.69,12161.36 RL35.1@10404.37,12155 10481.38,12161.36 ; RL40.1@10400.31,13061.46 10465.28,13061.46 ; 10465.28,13061.46 10510.38,13016.36 10510.38,12610.38 ; 10481.38,12161.36 10510.38,12190.36 10510.38,12610.38 ; 10505.74,12615.01 10510.38,12610.38
  TopLayer w40: P22.23@1605.72,10456.27 1635.3,10371.51 ; P22.23@1613.28,10481.66 1748.69,10605.97 ; P22.23@1618.79,10486.33 1779.99,10574.68 ; P22.23@1655.67,10439.26 1779.99,10574.68 ; P22.23@1660.35,10444.77 1748.69,10605.97 ; P22.23@1664.88,10456.27 1635.3,10371.51 ; P22.22@1777.84,10646.12 P22.23@1665.8,10491.79 ; P22.22@1781.18,10649.46 1935.51,10761.49 P22.22@1823.47,10607.16 ; P22.22@1820.14,10603.82 P22.23@1665.8,10491.79 ; 2207.56,11374.06 pad.0@2209.06,11519.1 2209.06,12500.15 2330.19,12621.28 2330.19,13757.86 2366.08,13793.76 2506.65,13793.76 2547.04,13753.37 2547.04,13446.02 2585.17,13407.9 4023.09,13407.9 4201.86,13586.67 4201.86,13907.6 ; pad.0@2209.06,11519.1 2207.56,11517.6 2207.56,11033.54 P22.22@1800.66,10626.64 ; P21.3@2516.03,10544.57 2554.81,10384.46 ; P21.3@2554.81,10549.2 2554.81,10384.46 ; P21.3@2593.59,10544.57 2554.81,10384.46 ; P20.3@2975.99,10553.46 3014.81,10728.25 P20.3@3053.63,10553.46 ; P20.3@2976.02,10544.64 3014.81,10382.08 ; P20.3@3053.59,10544.64 3014.81,10382.08 ; C86.1@3417.44,14306.66 3499.68,14388.9 4050.14,14388.9 ; C88.1@3430.52,11216.98 3149.21,11216.98 3014.81,11082.57 P20.3@3014.81,10549.2 3014.81,10382.08 ; C87.1@4232.38,14431.89 4053.88,14431.89 4050.14,14435.63 ; RL26.1@4582.76,11535.04 4499.05,11535.04 4434.24,11470.22 4434.24,10410.22 4372.38,10348.37 3048.52,10348.37 ; C85.1@5216.48,14427.22 5216.48,14003.86 5120.22,13907.6 4201.86,13907.6 ; D14.A@6568.5,11715.81 6598.18,11616.35 ; D14.A@6600.83,11690.26 6768.18,11720.15 D14.A@6600.83,11750.03 ; D14.A@6627.87,11715.81 6598.18,11616.35 ; D1.3@6931.83,11246.79 6837.38,11269.93 ; D1.3@6931.83,11293.07 6837.38,11269.93 ; D1.3@6938.43,11246.94 7005.82,11269.93 ; D1.3@6938.43,11292.93 7005.82,11269.93 ; C44.1@7022.52,11382.45 7022.52,11286.63 7005.82,11269.93 ; 7056.82,11642.84 Pw1.1@7197.88,11642.84 7047.8,11642.84 7024.03,11666.61 C45.1@6882.38,11666.61 ; 1635.3,10371.51 1658.45,10348.37 2590.9,10348.37 ; 1635.3,10371.51 P22.23@1635.3,10461.29 ; 1635.3,10371.51 P22.23@1635.3,10461.29 ; P22.23@1635.3,10461.29 P22.22@1800.66,10626.64 ; P22.23@1635.3,10461.29 1779.99,10574.68 ; P22.23@1635.3,10461.29 1748.69,10605.97 ; P22.23@1635.3,10461.29 P22.22@1770.16,10596.14 ; P22.23@1665.8,10491.79 P22.22@1800.66,10626.64 ; P22.22@1770.16,10596.14 1615.82,10484.1 P22.22@1770.16,10596.14 ; P22.22@1770.16,10596.14 1658.12,10441.81 P22.22@1770.16,10596.14 ; 2554.81,10384.46 2590.9,10348.37 ; 2590.9,10348.37 3048.52,10348.37 ; 3014.81,10382.08 3048.52,10348.37 ; 4050.14,14388.9 4050.14,14314.82 P26.1@4201.86,14163.1 P26.2@4201.86,14063.1 4201.86,13907.6 ; 4050.14,14388.9 4050.14,14435.63 ; 4050.14,14435.63 v1(4050.13,14493.58) 4050.14,14435.63 ; RL23.1@6462.76,11535.04 6462.76,11588.37 ; RL23.1@6462.76,11535.04 6480.44,11606.04 ; RL23.1@6462.76,11535.04 6462.76,11588.37 ; 6462.76,11588.37 6480.44,11606.04 ; 6480.44,11606.04 6587.88,11606.04 6598.18,11616.35 ; 6598.18,11616.35 D14.A@6598.18,11720.15 6828.84,11720.15 ; 6828.27,11558 6828.27,11279.04 6837.38,11269.93 ; 6828.27,11558 6882.38,11612.11 ; 6828.27,11558 C45.1@6882.38,11666.61 ; 6828.84,11720.15 C45.1@6882.38,11666.61 ; 6828.84,11720.15 C45.1@6882.38,11666.61 ; 6837.38,11269.93 D1.3@6934.62,11269.93 7005.82,11269.93 ; 6882.38,11612.11 C45.1@6882.38,11666.61 ; 6882.38,11612.11 C45.1@6882.38,11666.61
  BottomLayer w15: C19.2@3250.3,14423.91 3262.74,14487.71 ; C19.2@3262.74,14417.71 3262.74,14548.68 U1.8@3267.74,14553.68 ; C19.2@3262.74,14422.71 3262.74,14487.71 ; 3262.74,14468.5 U1.8@3267.74,14525.68 ; C19.2@3275.18,14423.91 3262.74,14487.71 ; v1@4056.15,14489.36 4061.15,14546.54 v1(4050.13,14493.58) ; U5.8@4056.15,14552.05 v1(4050.13,14493.58) ; U5.8@4061.15,14574.54 4056.15,14569.54 C20.2@4056.15,14438.57 v1(4050.13,14493.58) ; U6.8@4996.86,14574.25 U6.8@5001.86,14579.25 ; v1(9278.94,12083.43) 9278.94,12486.59 9297.34,12504.98 v1(9328.96,12504.98) 9477.18,12504.98 9569.41,12597.21 9719.35,12597.21 ; P27.15@9748.07,12656.64 9719.35,12597.21 ; P27.15@9778.79,12625.93 9719.35,12597.21 ; v1(4050.13,14493.58) 4056.15,14508.57 ; v1(4050.13,14493.58) 4043.71,14444.77 4056.15,14508.57 ; v1(4050.13,14493.58) 4068.6,14444.77 4056.15,14508.57 ; v1(4050.13,14493.58) 4056.15,14508.57 ; v1(4050.13,14493.58) 4056.15,14508.57 ; v1(4050.13,14493.58) 4056.15,14443.57 4056.15,14508.57 ; 9719.35,12597.21 P27.15@9766.03,12643.88 9719.35,12597.21
  BottomLayer w20: C19.2@3262.74,14412.71 3267.74,14332.44 ; C19.2@3262.74,14422.71 3267.74,14503.04 ; 3267.74,14453.68 U1.8@3267.74,14525.68 ; U1.8@3267.74,14553.68 3267.74,14325.05 3286.14,14306.66 C86.1@3417.44,14306.66 ; U26.9@3342.74,13960.04 3292.92,13960.04 ; C86.1@3413.1,14277.61 3318.07,14306.66 C86.1@3413.1,14335.7 ; 6210.95,11718.83 U27.9@6210.95,11793.83 ; U27.9@6210.95,11818.83 6210.95,11620.62 6296.53,11535.04 RL23.1@6462.76,11535.04 ; RL23.1@6458.42,11505.99 6363.39,11535.04 RL23.1@6458.42,11564.08 ; 3292.92,13960.04 3277.81,13975.15 v1(3277.81,13985.22) 3292.92,13960.04
  BottomLayer w30: D18.A@1056.39,8278.23 985.87,8278.23 955.66,8308.44 RL30.1@955.66,8445.58 955.66,8516.98 986.39,8547.71 1438.52,8547.71 ; D17.A@1546.39,8278.23 1469.76,8278.23 1436.39,8311.6 RL31.1@1436.39,8445.58 1436.39,8545.58 1438.52,8547.71 ; 1866.06,8545.58 RL32.1@1866.06,8445.58 1866.06,8298.04 1886.39,8277.71 D16.A@1966.39,8277.71 ; 2304.78,8545.58 RL33.1@2304.78,8445.58 2304.78,8303.21 2326.39,8281.6 D15.A@2404.46,8281.6 ; U25.9@2307.38,11616.61 2397.36,11616.61 ; U8.9@2307.38,12086.08 2391.42,12086.08 ; U25.9@2332.38,11616.61 2397.36,11616.61 ; U8.9@2332.38,12086.08 2391.42,12086.08 ; 2399.13,11565.33 2397.36,11616.61 ; 2404.1,12073.4 2391.42,12086.08 ; D21.K@3078.64,8208.02 3086.84,8216.22 D19.K@3086.84,8583.7 2742.38,8583.7 2706.39,8547.71 1438.52,8547.71 ; P5.2@4591.05,15360.19 4633.84,15278.07 ; P5.2@4633.84,15370.67 4633.84,15278.07 ; P5.2@4676.63,15360.19 4633.84,15278.07 ; 4938.28,15259.91 v1(5040.78,15259.91) 4652,15259.91 4633.84,15278.07 ; U6.8@4996.86,14574.25 4996.86,14478.28 ; U6.8@5001.86,14551.25 4996.86,14478.28 ; 5161.9,14422.12 C37.2@5054.19,14458.06 ; 5163.71,14438.19 C37.2@5054.19,14458.06 ; 5164.18,14453.83 C37.2@5054.19,14458.06 ; 5164.19,14458.06 C37.2@5054.19,14458.06 ; C85.1@5209.61,14403.83 C37.2@5068.19,14458.06 ; C85.1@5218.52,14402.93 5362.15,14427.22 C85.1@5218.52,14451.5 ; C85.1@5219.5,14451.4 C37.2@5068.19,14458.06 ; 5610.86,14948.07 v1(5610.86,15050.57) 5610.86,14745.9 5531.62,14666.66 5531.62,14470.4 5488.44,14427.22 C85.1@5216.48,14427.22 ; P27.15@9766.03,12643.88 9863.3,12643.88 9883.63,12623.56 9883.63,11550.14 9797.16,11463.66 ; RL35.1@10404.37,12155 10531.74,12155 ; RL35.1@10406.7,12130.74 10531.74,12155 ; RL35.1@10406.7,12179.26 10531.74,12155 ; RL27.2@10555.34,11466.22 10579.6,11593.29 RL27.2@10603.86,11466.22 ; RL27.2@10579.6,11463.92 10579.6,12107.13 10531.74,12155 ; 4996.86,14478.28 5017.09,14458.06 ; 4996.86,14478.28 C37.2@5044.19,14458.06 ; 5017.09,14458.06 C37.2@5049.19,14458.06 5185.64,14458.06 C85.1@5216.48,14427.22 ; 5017.09,14458.06 C37.2@5044.19,14458.06 ; 5017.09,14458.06 C37.2@5044.19,14458.06 ; C37.2@5068.19,14458.06 C85.1@5216.48,14427.22
  BottomLayer w40: pad.0@2209.06,11519.1 2352.89,11519.09 ; pad.0@2209.06,11519.1 2352.89,11519.09 ; 2404.1,12073.4 2404.1,11570.3 2399.13,11565.33 2352.89,11519.09 ; RL26.1@4582.76,11535.04 4582.76,11457.47 4629.06,11411.17 5072.38,11411.17 ; RL25.1@5062.76,11535.04 5062.76,11420.8 5072.38,11411.17 ; 5522.76,11420.8 RL37.1@5522.76,11535.04 ; 5982.76,11420.8 RL24.1@5982.76,11535.04 ; RL23.1@6462.76,11535.04 6462.76,11445.75 ; RL27.2@10579.6,11463.92 10579.6,11364.34 10556.88,11341.62 9919.2,11341.62 9797.16,11463.66 RL28.2@9681.53,11463.66 ; 5072.38,11411.17 6428.19,11411.17 ; 6428.19,11411.17 6462.76,11445.75 ; 6428.19,11411.17 6462.76,11376.6 ; 6462.76,11376.6 6462.76,11267.13 6570.09,11159.8 6570.09,10403.1 6625,10348.19 9076.02,10348.19 9155.05,10427.23 9155.05,10690.76 9202.48,10738.2 9409.69,10738.2 9567.59,10896.1 9567.59,11381.31 ; 6462.76,11376.6 6462.76,11445.75 ; 9567.59,11381.31 9649.95,11463.66 RL28.2@9681.53,11463.66 ; 9567.59,11381.31 RL28.2@9681.53,11463.66